# Altium PCB MSE-PCB-N1.PcbDoc (part 1 of 2) (continued)
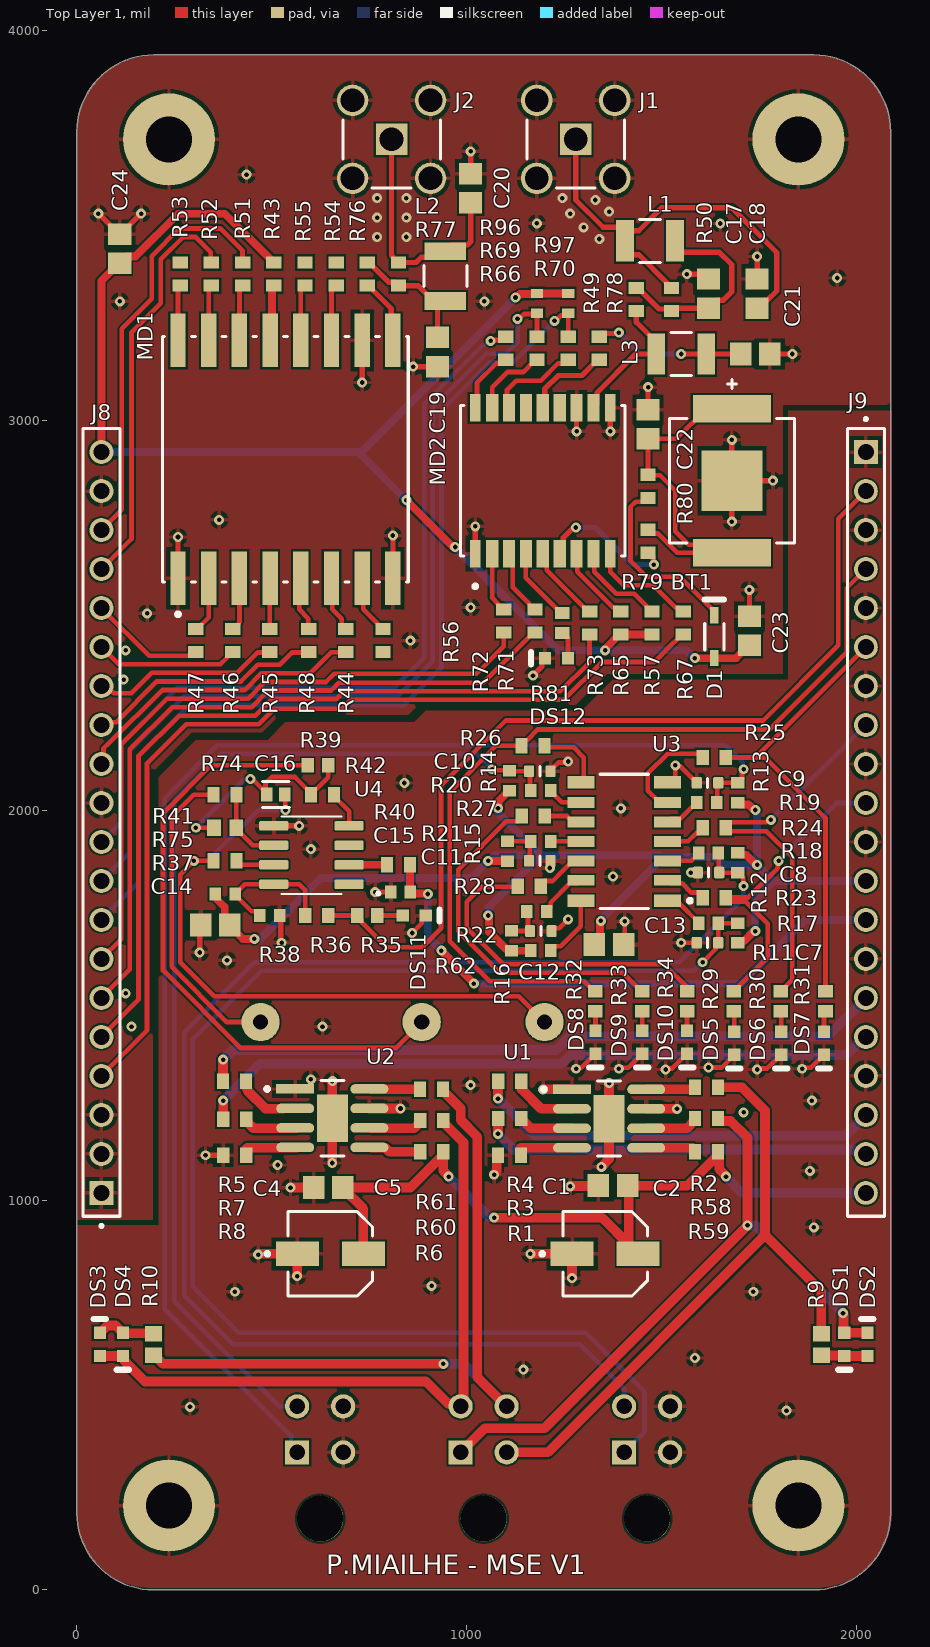
[diagram p0: Top Layer 1 view]
## Part data (continued)
C17 C18 C19 C20 C21: library part CMP-2100-03644-1, "Chip Capacitor, 0.1 uF, +/- 10%, 50 V, -55 to 125 degC, 0805 (2012 Metric), RoHS, Tape and Reel", Capacitance=NC, Case Code (Imperial)=0805, Case Code (Metric)=2012, Dielectric=X7R, Dielectric Material=Ceramic, Insulation Resistance=10GR, Manufacturer=Murata, Max Operating Temperature=125degC, Min Operating Temperature=-55degC, Package Description="2-Pin Surface Mount Device, Body 2 x 1.25 mm", Package Quantity=1, Tolerance=10%, Voltage=50V, Case/Package=0805, Datasheet URL=http://psearch.en.murata.com/capacitor/product/GRM21BR71H104KA01%23.pdf, Datasheet Version=42675.0, Depth=1.25mm, Height=1.25mm, Lead Free=LeadFree, Length=2mm, Manufacturer URL=http://www.murata.com/, Material=Ceramic, Mount=SurfaceMount, Number of Pins=2, Package Reference=0805, Packaging=TapeandReel, Radiation Hardening=No, REACH SVHC=Unknown, RoHSCompliant=true, Termination=SMD/SMT, Thickness=0.053inch, Voltage Rating=50V, Voltage Rating (DC)=50V, Width=0.049inch
D1: library part CMP-004-00001-2, "Small Signal Diode, 75 V, 0.15 A, -55 to 150 degC, 2-Pin SOD-323, RoHS, Tape and Reel", Capacitance=-323f, Case/Package=SOD-323, Forward Current=150mA, Forward Voltage=1V, Manufacturer=Fairchild, Max Operating Temperature=150°C, Min Operating Temperature=-55°C, Package Description="2-Pin Small Outline Diode Flat Lead, Body 1.7 x 1.25 mm", Package Quantity=3000, Peak Reverse Current=5uA, Datasheet URL=https://www.fairchildsemi.com/datasheets/1N/1N4148WS.pdf, Datasheet Version="Rev. 1.2, 03/2015", Manufacturer URL=https://www.fairchildsemi.com/, Mounting Technology=SM, Package Reference=SOD-323, Packaging=TapeandReel, Pins=2, Recovery Time=4ns, RoHS Compliant=True
DS1 DS3 DS5 DS6 DS7 DS8 DS9 DS10 DS11 DS12: library part CMP-1744-00002-1, "Chip LED, Green, 2.2 V, -40 to 85 degC, 2-Pin SMD, RoHS, Tape and Reel", Case\Package=SOIC, Clock Frequency="100 KHz", Frequency="400 KHz", Max Operating Temperature="85 degC", Max Supply Voltage="5.5 V", Min Operating Temperature="-40 degC", Min Supply Voltage="1.7 V", Nominal Supply Current="2 mA", Package Quantity=3000, Access Time="3500 ns", ComponentLink1Description="Manufacturer URL", ComponentLink1URL=http://www.avagotech.com/, ComponentLink2Description=Datasheet, ComponentLink2URL=http://docs.avagotech.com/docs/AV02-0551EN, ComponentLink3Description="Package Specification", ComponentLink3URL=http://www.fairchildsemi.com/dwg/MA/MA03D.pdf, DatasheetVersion=Mar-12, Density="32 kb", Height="1.5 mm", Interface=Serial, Length="5 mm", Max Clock Frequency="100 KHz", Mount="Surface Mount", PackageDescription="2-Pin Surface Mount Device, Body 1.6 x 0.8 mm, Height 0.9 mm", PackageReference=HSMX-C190, Packaging="Tape and Reel", Pins=8, Radiation Hardening=No, REACH SVHC="No SVHC", RoHSCompliant=true, Width="4 mm"
DS2 DS4: library part CMP-1744-00004-1, "LED Uni-Color Red, 65 mW, 20 mA, -40 to 85 degC, 2-Pin SMD, RoHS, Tape and Reel", Current Rating="1 A", Max Operating Temperature="85 degC", Min Operating Temperature="-30 degC", Package Quantity=2000, ComponentLink1Description="Manufacturer URL", ComponentLink1URL=http://www.avagotech.com/, ComponentLink2Description=Datasheet, ComponentLink2URL=http://docs.avagotech.com/docs/AV02-0551EN, ComponentLink3Description="Package Specification", ComponentLink3URL=http://www.fairchildsemi.com/dwg/MA/MA03D.pdf, Connector Type=USB, Contact Material=Copper, Contact Plating=Gold, DatasheetVersion=Mar-12, Gender=Male, Height="2.8 mm", Lead Pitch="0.65 mm", Length="7.5 mm", Mount="Surface Mount", PackageDescription="2-Pin Surface Mount Device, Body 1.6 x 0.8 mm, Height 0.9 mm", PackageReference=HSMX-C190, Packaging="Tape and Reel", Pins=5, REACH SVHC="No SVHC", RoHSCompliant=true, Width="5.6 mm"
J1 J2: library part CMP-2000-05487-1, "SMA Right-Angle PCB Jack Receptacle, Brass Body, Gold Plated, 50 Ohm, 5-Pin THD, RoHS, Tray", Manufacturer=Molex, Package Description="5-Pin Through Hole Device, Body 14.8 x 6.35 mm, Pitch 2.54 mm", Datasheet URL=http://www.molex.com/webdocs/datasheets/pdf/en-us/0731000114_RF_COAX_CONNECTORS.pdf, Datasheet Version=09/2016, Manufacturer URL=http://www.molex.com/, Mounting Technology=ThroughHole, Package Reference=731000114, Package URL=http://www.molex.com/pdm_docs/sd/731000114_sd.pdf
J3 J4 J5: library part CMP-04776-000002-1, "CONN HEADER R/A 4POS 3MM", Current Rating=8.5A, Manufacturer=Molex, Temperature="-40°C to +105°C", Temperature Range High=+105°C, Temperature Range Low=-40°C, Voltage Rating=600V, Automotive=No, Category=Conn, ComponentLink2Description=Datasheet, ComponentLink2URL=https://www.molex.com/webdocs/datasheets/pdf/en-us/0430450400_PCB_HEADERS.pdf, Conn Gender=Male, Conn Orientation="Right Angle", Contact Material=Tin,Nickel, Device Class L1=Connectors, Device Class L2="Headers and Wire Housings", Device Class L3=unset, Digikey Description="CONN HEADER R/A 4POS 3MM", Footprint Url=https://www.molex.com/pdm_docs/sd/430450400_sd.pdf, Height=9.27mm, Is Female=yes, Lead Free=Yes, Manufacturer Part Number=43045-0400, Number Of Contacts=4, Number Of Rows=2, Octopart=https://octopart.com/43045-0400-molex-287063, Package=43045-0400, Pitch=3mm, RoHS=TRUE
J8 J9: library part CMP-011-000000-2, "SSW - Samtec 2.54mm Single Row Straight Socket Strip 8.5 Profile - Fast Stock", Package=None, Availability=Bad, Check_prices=https://www.snapeda.com/parts/SSW-120-01-G-S/Samtec/view-part/598388/?ref=eda, Component Type=Standard, Design Item ID=SSW-120-01-X-S, MF=Samtec, MP=SSW-120-01-G-S, Pin Count=20, Price=None, Purchase-URL=https://pricing.snapeda.com/search/part/SSW-120-01-G-S/?ref=eda, SnapEDA_Link=https://www.snapeda.com/parts/SSW-120-01-G-S/Samtec/view-part/598388/?ref=snap, Source=SSW-120-01-X-S.SchLib
L1 L2 L3: library part CMP-2000-05912-2, "FIXED IND 10UH 180MA 1.6 OHM SMD", Case Code (Imperial)=1210, Case Code (Metric)=3225, Current Rating=180mA, DC Resistance (DCR)=1.6R, Inductance=10uH, Inductance Tolerance=10%, Max Operating Temperature=125°C, Package Quantity=2000, Ratings=AEC-Q200, Resistor Type=Wirewound, Self Resonant Frequency=25MHz, Test Frequency=1MHz, Case/Package=1210, Contact Plating=Tin, Core Material=Ferrite, DC Current=180mA, Depth=2.8mm, Height=2.1mm, Height - Seated (Max)=0.083inch, Lead Free="Lead Free", Length=3.5mm, Max DC Current=180mA, Military Standard=Not, Mount="Surface Mount", Number of Pins=2, Packaging="Tape and Reel", Q Factor=27, Radiation Hardening=No, Rated Current-Max=180mA, REACH SVHC="No SVHC", RoHS Compliant=Yes, Series=SIMID, Series Resistance=1.6R, Shielding=Unshielded, Termination=SMD/SMT, Tolerance=10%, Weight=0.001764oz, Width=0.098inch
LS1: library part CMP-003-000000-2, "40 mm, 9 Vdc, 110 dB, Through Hole, Piezo Audio Transducer Buzzer", Package=None, Availability="In Stock", Check_prices=https://www.snapeda.com/parts/CPS-4013-110T/CUI+Devices/view-part/?ref=eda, Component Type=Standard, CUI_purchase_URL=https://www.cuidevices.com/product/audio/buzzers/audio-transducers/cps-4013-110t?utm_source=snapeda.com&utm_medium=referral&utm_campaign=snapedaBOM, Design Item ID=CPS-4013-110T, MF="CUI Devices", MP=CPS-4013-110T, Pin Count=3, Price=None, Purchase-URL=https://pricing.snapeda.com/search/part/CPS-4013-110T/?ref=eda, SnapEDA_Link=https://www.snapeda.com/parts/CPS-4013-110T/CUI+Devices/view-part/?ref=snap, Source=CPS-4013-110T.SchLib
MD1: library part CMP-204316-000001-1, "RX TXRX MODULE ISM < 1GHZ SMD", Case/Package=SMD/SMT, Current - Receiving=12.1mA, Current - Transmitting=120mA, Frequency=868MHz, Max Operating Temperature=70°C, Min Operating Temperature=-20°C, Data Rate=300Kbps, Interface=SPI, Mount="Surface Mount", Packaging=Bulk, Sensitivity=-123dBm
MD2: library part CMP-207130-000026-1, "GNSS LCC RX, ROM, TCXO, LNA, SAW"
R1 R5: library part CMP-2100-03667-1, "Chip Resistor, 0 Ohm, +/- 5%, 0.1 W, -55 to 155 degC, 0603 (1608 Metric), RoHS, Tape and Reel", Case Code (Imperial)=0603, Case Code (Metric)=1608, Manufacturer=Yageo, Max Operating Temperature=155degC, Min Operating Temperature=-55degC, Package Description="2-Pin Surface Mount Device, Body 1.6 x 0.8 mm", Package Quantity=5000, Power Rating=100mW, Resistance=34K, Temperature Coefficient=200ppm/degreesC, Tolerance=5%, Voltage Rating=50V, Case/Package=0603, Composition=ThickFilm, Contact Plating=Tin, Datasheet URL=http://www.yageo.com/NewPortal/yageodocoutput?fileName=/pdf/R-Chip/PYu-RC_Group_51_RoHS_L_5.pdf, Datasheet Version="Rev. 5, 10/2016", Depth=0.8mm, Height=0.45mm, Lead Free=LeadFree, Length=1.6mm, Manufacturer URL=http://www.yageo.com/, Military Standard=Not, Number of Pins=2, Package Reference=0603, Packaging=TapeandReel, Radiation Hardening=No, REACH SVHC=NoSVHC, RoHSCompliant=true, Termination=SMD/SMT, Voltage Rating (DC)=50V, Width=0.8mm
R2 R3 R4 R6 R7 R8 R23 R24 R25 R26 R27 R28 R39 R58 R59 R60 R61: library part CMP-2100-03667-1, "Chip Resistor, 0 Ohm, +/- 5%, 0.1 W, -55 to 155 degC, 0603 (1608 Metric), RoHS, Tape and Reel", Case Code (Imperial)=0603, Case Code (Metric)=1608, Manufacturer=Yageo, Max Operating Temperature=155degC, Min Operating Temperature=-55degC, Package Description="2-Pin Surface Mount Device, Body 1.6 x 0.8 mm", Package Quantity=5000, Power Rating=100mW, Resistance=0R, Temperature Coefficient=200ppm/degreesC, Tolerance=5%, Voltage Rating=50V, Case/Package=0603, Composition=ThickFilm, Contact Plating=Tin, Datasheet URL=http://www.yageo.com/NewPortal/yageodocoutput?fileName=/pdf/R-Chip/PYu-RC_Group_51_RoHS_L_5.pdf, Datasheet Version="Rev. 5, 10/2016", Depth=0.8mm, Height=0.45mm, Lead Free=LeadFree, Length=1.6mm, Manufacturer URL=http://www.yageo.com/, Military Standard=Not, Number of Pins=2, Package Reference=0603, Packaging=TapeandReel, Radiation Hardening=No, REACH SVHC=NoSVHC, RoHSCompliant=true, Termination=SMD/SMT, Voltage Rating (DC)=50V, Width=0.8mm
R9 R10: library part CMP-2000-00122-1, Case Code (Imperial)=0603, Case Code (Metric)=1608, Manufacturer=Panasonic, Max Operating Temperature=155°C, Max Power Dissipation=100mW, Min Operating Temperature=-55°C, Package Quantity=1, Resistance=750R, Resistance Tolerance=0.1%, Resistor Type="Thin Film", Supplier Part Number 1=6621117, Temperature Coefficient=25ppm/°C, Voltage Rating=75V, Case/Package=0603, Category="Chip SMD Resistors", ComponentLink1Description=https://datasheet.ciiva.com/11808/0900766b80fe20f7-11808070.pdf?src-supplier=RSComponents, ComponentLink1URL=https://datasheet.ciiva.com/11808/0900766b80fe20f7-11808070.pdf?src-supplier=RSComponents, ComponentLink2Description=https://datasheet.ciiva.com/29183/450701-da-01-en-widerstand-0603-era-29183748.pdf?src-supplier=Conrad, ComponentLink2URL=https://datasheet.ciiva.com/29183/450701-da-01-en-widerstand-0603-era-29183748.pdf?src-supplier=Conrad, ComponentLink3Description=https://datasheet.ciiva.com/48530/era-eng-tds-48530518.pdf?src-supplier=Distrelec, ComponentLink3URL=https://datasheet.ciiva.com/48530/era-eng-tds-48530518.pdf?src-supplier=Distrelec, ComponentLink4Description=https://datasheet.ciiva.com/7710/485442-7710616.pdf?src-supplier=Element14, ComponentLink4URL=https://datasheet.ciiva.com/7710/485442-7710616.pdf?src-supplier=Element14, ComponentLink5Description=https://datasheet.ciiva.com/7710/485442-7710617.pdf?src-supplier=Element14, ComponentLink5URL=https://datasheet.ciiva.com/7710/485442-7710617.pdf?src-supplier=Element14, ComponentLink6Description=https://datasheet.ciiva.com/7710/485442-7710618.pdf?src-supplier=Element14, ComponentLink6URL=https://datasheet.ciiva.com/7710/485442-7710618.pdf?src-supplier=Element14, ComponentLink7Description=https://datasheet.ciiva.com/30081/54aoa0000ce26-30081771.pdf?src-supplier=Onlinecomponents.com, ComponentLink7URL=https://datasheet.ciiva.com/30081/54aoa0000ce26-30081771.pdf?src-supplier=Onlinecomponents.com, ComponentLink8Description=https://datasheet.ciiva.com/22740/485442-22740940.pdf?src-supplier=Element14, ComponentLink8URL=https://datasheet.ciiva.com/22740/485442-22740940.pdf?src-supplier=Element14, ComponentLink9Description=https://datasheet.ciiva.com/9180/aoa0000ce26-9180142.pdf?src-supplier=Avnet, ComponentLink9URL=https://datasheet.ciiva.com/9180/aoa0000ce26-9180142.pdf?src-supplier=Avnet, Construction=Rectangular, Contact Plating=Tin, Depth=0.8mm, Features="Automotive AEC-Q200", Height=0.45mm, Lead Free="Lead Free", Length=1.6mm, Manufacturer Part Number=ERA-3AEB751V, Military Standard=Not, Mount="Surface Mount", Number of Pins=2, Number of Terminations=2, Packaging="Cut Tape", Part Number=ERA-3AEB751V, Power Rating=100mW, Pricing 1="5=0.80100, 50=0.74600, 100=0.69900, 250=0.64900, 500=0.59400 (USD)", Radiation Hardening=No, REACH SVHC="No SVHC", RoHS=Yes, RoHS Compliant=Yes, Series=ERA-3A, Stock 1=1, Supplier 1=RSComponents, Technology="THIN FILM", Termination=SMD/SMT, Tolerance=0.1%, Voltage Rating (DC)=75V, Width=0.8mm
R11 R12 R13 R14 R15 R16 R17 R18 R19 R20 R21 R22 R62: library part CMP-1012-00623-3, "Chip Resistor, 10 KOhm, +/- 1%, 0.1 W, -55 to 155 degC, 0603 (1608 Metric), RoHS, Tape and Reel", Case Code (Imperial)=0603, Case Code (Metric)=1608, Manufacturer=Panasonic, Max Operating Temperature=155degC, Max Power Dissipation=100mW, Min Operating Temperature=-55degC, Package Description="2-Pin Surface Mount Device, Body 1.6 x 0.85 mm", Package Quantity=1, Package Reference=603, Resistance=10K, Temperature Coefficient=100ppm\/degreesC, Tolerance=1%, Voltage Rating=75V, Case\/Package=0603, Composition=ThickFilm, Contact Plating=Tin, Datasheet URL=https://industrial.panasonic.com/cdbs/www-data/pdf/RDA0000/AOA0000C304.pdf, Datasheet Version=02/2017, Depth=0.8mm, Height=0.45mm, Lead Free=LeadFree, Length=1.6mm, Manufacturer URL=http://www.panasonic.com/, Military Standard=Not, Mount=SurfaceMount, Mounting Technology=SurfaceMount, Number of Pins=2, Number of Terminations=2, Packaging=TapeandReel, Power Rating=100mW, Radiation Hardening=No, REACH SVHC=NoSVHC, RoHSCompliant=true, Termination=SMD/SMT, Voltage Rating (DC)=75V, Width=0.031inch
R29 R30 R31 R32 R33 R34 R35 R81: library part CMP-2000-03816-5, Manufacturer="Vishay Semiconductor", Max Operating Temperature="155 degC", Min Operating Temperature="-55 degC", Package Quantity=5000, Voltage Rating="75 V", ComponentLink1Description="Manufacturer URL", ComponentLink1URL=http://www.vishay.com/, ComponentLink2Description=Datasheet, ComponentLink2URL=http://www.vishay.com/docs/20035/dcrcwe3.pdf, DatasheetVersion=06/2012, Height="0.45 mm", Length="1.55 mm", Mount="Surface Mount", Mounting Technology="Surface Mount", PackageDescription="2-Pin Surface Mount Device, Body 1.575 x 0.85 mm", PackageReference=0603, Packaging="Tape and Reel", Pins=2, REACH SVHC=Unknown, RoHSCompliant=true
R36 R40 R43 R44 R45 R46 R47 R48 R49 R50 R51 R52 R53 R54 R55 R56 R57 R65 R66 R67 R69 R70 R71 R72 R73 R74 R75 R76 R77 R78 R79: library part CMP-2100-03667-1, "Chip Resistor, 0 Ohm, +/- 5%, 0.1 W, -55 to 155 degC, 0603 (1608 Metric), RoHS, Tape and Reel", Case Code (Imperial)=0603, Case Code (Metric)=1608, Manufacturer=Yageo, Max Operating Temperature=155degC, Min Operating Temperature=-55degC, Package Description="2-Pin Surface Mount Device, Body 1.6 x 0.8 mm", Package Quantity=5000, Power Rating=100mW, Resistance=0mOhm, Temperature Coefficient=200ppm/degreesC, Tolerance=5%, Voltage Rating=50V, Case/Package=0603, Composition=ThickFilm, Contact Plating=Tin, Datasheet URL=http://www.yageo.com/NewPortal/yageodocoutput?fileName=/pdf/R-Chip/PYu-RC_Group_51_RoHS_L_5.pdf, Datasheet Version="Rev. 5, 10/2016", Depth=0.8mm, Height=0.45mm, Lead Free=LeadFree, Length=1.6mm, Manufacturer URL=http://www.yageo.com/, Military Standard=Not, Number of Pins=2, Package Reference=0603, Packaging=TapeandReel, Radiation Hardening=No, REACH SVHC=NoSVHC, RoHSCompliant=true, Termination=SMD/SMT, Voltage Rating (DC)=50V, Width=0.8mm
R37 R38: library part CMP-1012-00623-3, "Chip Resistor, 10 KOhm, +/- 1%, 0.1 W, -55 to 155 degC, 0603 (1608 Metric), RoHS, Tape and Reel", Case Code (Metric)=1608, Case/Package=0603, Manufacturer=Panasonic, Manufacturer Part Number=ERJ-3EKF1002V, Max Operating Temperature=155degC, Max Power Dissipation=100mW, Min Operating Temperature=-55degC, Package Description="2-Pin Surface Mount Device, Body 1.6 x 0.85 mm", Package Quantity=1, Package Reference=603, Resistance="NC (10k)", Resistance Tolerance=1%, Resistor Type="Thick Film", Supplier Part Number 1=667-ERJ-3EKF1002V, Temperature Coefficient=100ppm\/degreesC, Voltage Rating=75V, Case\/Package=0603, Category="Chip SMD Resistors", ComponentLink1Description=https://datasheet.ciiva.com/16511/aoa0000ce2-16511861.pdf?src-supplier=Avnet+Asia, ComponentLink1URL=https://datasheet.ciiva.com/16511/aoa0000ce2-16511861.pdf?src-supplier=Avnet+Asia, ComponentLink2Description=https://datasheet.ciiva.com/46372/1678782-46372725.pdf?src-supplier=Element14, ComponentLink2URL=https://datasheet.ciiva.com/46372/1678782-46372725.pdf?src-supplier=Element14, ComponentLink3Description=https://datasheet.ciiva.com/28514/426256-28514198.pdf?src-supplier=Element14, ComponentLink3URL=https://datasheet.ciiva.com/28514/426256-28514198.pdf?src-supplier=Element14, ComponentLink4Description=https://datasheet.ciiva.com/9194/aoa0000ce2-9194199.pdf?src-supplier=Avnet, ComponentLink4URL=https://datasheet.ciiva.com/9194/aoa0000ce2-9194199.pdf?src-supplier=Avnet, ComponentLink5Description=https://datasheet.ciiva.com/7830/aoa0000ce2-7830729.pdf?src-supplier=Element14, ComponentLink5URL=https://datasheet.ciiva.com/7830/aoa0000ce2-7830729.pdf?src-supplier=Element14, ComponentLink6Description=https://datasheet.ciiva.com/17212/aoa0000ce2-17212105.pdf?src-supplier=Avnet+Europe, ComponentLink6URL=https://datasheet.ciiva.com/17212/aoa0000ce2-17212105.pdf?src-supplier=Avnet+Europe, ComponentLink7Description=https://datasheet.ciiva.com/30208/aoa0000ce2-30208985.pdf?src-supplier=Onlinecomponents.com, ComponentLink7URL=https://datasheet.ciiva.com/30208/aoa0000ce2-30208985.pdf?src-supplier=Onlinecomponents.com, ComponentLink8Description=https://datasheet.ciiva.com/48530/aoa0000ce2-48530988.pdf?src-supplier=Avnet, ComponentLink8URL=https://datasheet.ciiva.com/48530/aoa0000ce2-48530988.pdf?src-supplier=Avnet, ComponentLink9Description=https://datasheet.ciiva.com/24070/aoa0000ce2-24070318.pdf?src-supplier=Mouser, ComponentLink9URL=https://datasheet.ciiva.com/24070/aoa0000ce2-24070318.pdf?src-supplier=Mouser, ComponentLink10Description=https://datasheet.ciiva.com/16759/70260748-16759807.pdf?src-supplier=Allied+Electronics, ComponentLink10URL=https://datasheet.ciiva.com/16759/70260748-16759807.pdf?src-supplier=Allied+Electronics, Composition=ThickFilm, Construction=Rectangular, Contact Plating=Tin, Datasheet URL=https://industrial.panasonic.com/cdbs/www-data/pdf/RDA0000/AOA0000C304.pdf, Datasheet Version=02/2017, Depth=0.8mm, Features="Automotive AEC-Q200", Height=0.45mm, Lead Free=LeadFree, Length=1.6mm, Manufacturer URL=http://www.panasonic.com/, Military Standard=Not, Mount=SurfaceMount, Mounting Technology=SurfaceMount, Number of Pins=2, Number of Terminations=2, Packaging=TapeandReel, Power Rating=100mW, Pricing 1="1=0,10000, 10=0,04000, 50=0,04000, 100=0,01700, 1000=0,00700, 5000=0,00500, 10000=0,00500 (USD)", Radiation Hardening=No, REACH SVHC=NoSVHC, RoHS=Yes, RoHS Compliant=Yes, RoHSCompliant=true, Series=ERJ, Size Code=0603, Stock 1=20455, Supplier 1=Mouser, Technology="THICK FILM", Termination=SMD/SMT, Tolerance=1%, Voltage Rating (DC)=75V, Width=0.031inch
R41: library part CMP-2000-00727-1, Case Code (Imperial)=0603, Case Code (Metric)=1608, Manufacturer=Panasonic, Max Operating Temperature=155°C, Max Power Dissipation=100mW, Min Operating Temperature=-55°C, Package Quantity=1, Resistance=1.5MR, Resistance Tolerance=5%, Resistor Type="Thick Film", Supplier Part Number 1=667-ERJ-3GEYJ155V, Temperature Coefficient=150ppm/°C, Voltage Rating=75V, Voltage Rating (DC)=50V, Case/Package=0603, Category="Chip SMD Resistors", ComponentLink1Description=https://datasheet.ciiva.com/11821/0900766b80f806dd-11821430.pdf?src-supplier=RSComponents, ComponentLink1URL=https://datasheet.ciiva.com/11821/0900766b80f806dd-11821430.pdf?src-supplier=RSComponents, ComponentLink2Description=https://datasheet.ciiva.com/16780/70255313-16780680.pdf?src-supplier=Allied+Electronics, ComponentLink2URL=https://datasheet.ciiva.com/16780/70255313-16780680.pdf?src-supplier=Allied+Electronics, ComponentLink3Description=https://datasheet.ciiva.com/9198/aoa0000ce1-9198090.pdf?src-supplier=Avnet, ComponentLink3URL=https://datasheet.ciiva.com/9198/aoa0000ce1-9198090.pdf?src-supplier=Avnet, ComponentLink4Description=https://datasheet.ciiva.com/30248/4aoa0000ce1-30248779.pdf?src-supplier=Onlinecomponents.com, ComponentLink4URL=https://datasheet.ciiva.com/30248/4aoa0000ce1-30248779.pdf?src-supplier=Onlinecomponents.com, ComponentLink5Description=https://datasheet.ciiva.com/5959/1500035-5959709.pdf?src-supplier=Farnell, ComponentLink5URL=https://datasheet.ciiva.com/5959/1500035-5959709.pdf?src-supplier=Farnell, ComponentLink6Description=https://datasheet.ciiva.com/28658/1678796-28658445.pdf?src-supplier=Element14, ComponentLink6URL=https://datasheet.ciiva.com/28658/1678796-28658445.pdf?src-supplier=Element14, ComponentLink7Description=https://datasheet.ciiva.com/15828/aoa0000ce1-15828430.pdf?src-supplier=Onlinecomponents.com, ComponentLink7URL=https://datasheet.ciiva.com/15828/aoa0000ce1-15828430.pdf?src-supplier=Onlinecomponents.com, Construction=Rectangular, Contact Plating=Tin, Depth=0.8mm, Features="Automotive AEC-Q200", Height=0.45mm, Lead Free="Lead Free", Length=1.6mm, Manufacturer Part Number=ERJ-3GEYJ155V, Military Standard=Not, Mount="Surface Mount", Number of Terminations=2, Packaging="Tape and Reel", Part Number=ERJ-3GEYJ155V, Power Rating=100mW, Pricing 1="1=0,10000, 10=0,03400, 50=0,03400, 100=0,01400, 1000=0,00700, 2500=0,00600, 5000=0,00400, 10000=0,00400 (USD)", REACH SVHC="No SVHC", RoHS=Yes, RoHS Compliant=Yes, Series=ERJ, Stock 1=76730, Supplier 1=Mouser, Technology="THICK FILM", Termination=SMD/SMT, Tolerance=5%, Width=0.031inch
R42: library part CMP-1012-00754-2, Case Code (Imperial)=0603, Case Code (Metric)=1608, Manufacturer=Panasonic, Max Operating Temperature=155°C, Max Power Dissipation=100mW, Min Operating Temperature=-55°C, Package Quantity=1, Resistance=150kR, Resistance Tolerance=1%, Resistor Type="Thick Film", Supplier Part Number 1=667-ERJ-3EKF1503V, Temperature Coefficient=100ppm/°C, Voltage Rating=75V, Case/Package=0603, Category="Chip SMD Resistors", ComponentLink1Description=https://datasheet.ciiva.com/6137/aoa0000ce2-6137485.pdf?src-supplier=Farnell, ComponentLink1URL=https://datasheet.ciiva.com/6137/aoa0000ce2-6137485.pdf?src-supplier=Farnell, ComponentLink2Description=https://datasheet.ciiva.com/7909/aoa0000ce2-7909193.pdf?src-supplier=Element14, ComponentLink2URL=https://datasheet.ciiva.com/7909/aoa0000ce2-7909193.pdf?src-supplier=Element14, ComponentLink3Description=https://datasheet.ciiva.com/7909/426256-7909546.pdf?src-supplier=Element14, ComponentLink3URL=https://datasheet.ciiva.com/7909/426256-7909546.pdf?src-supplier=Element14, ComponentLink4Description=https://datasheet.ciiva.com/22687/1678782-22687434.pdf?src-supplier=Element14, ComponentLink4URL=https://datasheet.ciiva.com/22687/1678782-22687434.pdf?src-supplier=Element14, ComponentLink5Description=https://datasheet.ciiva.com/46420/1678782-46420173.pdf?src-supplier=Element14, ComponentLink5URL=https://datasheet.ciiva.com/46420/1678782-46420173.pdf?src-supplier=Element14, ComponentLink6Description=https://datasheet.ciiva.com/16787/70260748-16787015.pdf?src-supplier=Allied+Electronics, ComponentLink6URL=https://datasheet.ciiva.com/16787/70260748-16787015.pdf?src-supplier=Allied+Electronics, ComponentLink7Description=https://datasheet.ciiva.com/9185/aoa0000ce2-9185494.pdf?src-supplier=Avnet, ComponentLink7URL=https://datasheet.ciiva.com/9185/aoa0000ce2-9185494.pdf?src-supplier=Avnet, ComponentLink8Description=https://datasheet.ciiva.com/48530/aoa0000ce2-48530984.pdf?src-supplier=Avnet, ComponentLink8URL=https://datasheet.ciiva.com/48530/aoa0000ce2-48530984.pdf?src-supplier=Avnet, ComponentLink9Description=https://datasheet.ciiva.com/30145/aoa0000ce2-30145242.pdf?src-supplier=Onlinecomponents.com, ComponentLink9URL=https://datasheet.ciiva.com/30145/aoa0000ce2-30145242.pdf?src-supplier=Onlinecomponents.com, ComponentLink10Description=https://datasheet.ciiva.com/17207/aoa0000ce2-17207477.pdf?src-supplier=Avnet+Europe, ComponentLink10URL=https://datasheet.ciiva.com/17207/aoa0000ce2-17207477.pdf?src-supplier=Avnet+Europe, Construction=Rectangular, Contact Plating=Tin, Depth=0.8mm, Features="Automotive AEC-Q200", Height=0.022inch, Lead Free="Lead Free", Length=1.6mm, Manufacturer Part Number=ERJ-3EKF1503V, Military Standard=Not, Mount="Surface Mount", Number of Pins=2, Number of Terminations=2, Packaging="Tape and Reel", Part Number=ERJ-3EKF1503V, Power Rating=100mW, Pricing 1="1=0,10000, 10=0,03700, 50=0,03700, 100=0,01500, 1000=0,00800, 2500=0,00700, 5000=0,00600, 10000=0,00600 (USD)", Radiation Hardening=No, REACH SVHC="No SVHC", RoHS=Yes, RoHS Compliant=Yes, Series=ERJ, Stock 1=1123, Supplier 1=Mouser, Termination=SMD/SMT, Tolerance=1%, Voltage Rating (DC)=75V, Weight=7.1E-05oz, Width=0.8mm
R80: library part CMP-1012-00567-2, "Chip Resistor, 3.3 KOhm, +/- 1%, 0.1 W, -55 to 155 degC, 0603 (1608 Metric), RoHS, Tape and Reel", Case Code (Imperial)=0603, Case Code (Metric)=1608, Manufacturer=Yageo, Max Operating Temperature=155degC, Max Power Dissipation=100mW, Min Operating Temperature=-55degC, Package Description="2-Pin Surface Mount Device, Body 1.6 x 0.8 mm", Package Quantity=1, Resistance=3K3, Temperature Coefficient=100ppm/degreesC, Tolerance=1%, Voltage Rating=50V, Case/Package=0603, Composition=ThickFilm, Datasheet URL=http://www.yageo.com/NewPortal/yageodocoutput?fileName=/pdf/R-Chip/PYu-RC_Group_51_RoHS_L_5.pdf, Datasheet Version="Rev. 5, 10/2016", Depth=0.8mm, Height=0.45mm, Lead Free=LeadFree, Length=1.6mm, Manufacturer URL=http://www.yageo.com/, Military Standard=Not, Number of Pins=2, Number of Terminations=2, Package Reference=0603, Packaging=TapeandReel, Power Rating=100mW, REACH SVHC=NoSVHC, RoHSCompliant=true, Termination=SMD/SMT, Voltage Rating (DC)=50V, Width=0.8mm
R96 R97: library part CMP-2000-06942-1, "Chip Resistor, 4.7 KOhm, +/- 1%, 0.1 W, -55 to 155 degC, 0603 (1608 Metric), RoHS, Tape and Reel", Case Code (Imperial)=0603, Case Code (Metric)=1608, Manufacturer=Yageo, Max Operating Temperature=155°C, Max Power Dissipation=100mW, Min Operating Temperature=-55°C, Operating Temperature Range=-55Cto+155C, Package Description="2-Pin Surface Mount Device, Body 1.6 x 0.8 mm", Resistance=4.7k, Resistance Tolerance=1%, Resistor Type="Thick Film", Supplier Part Number 1=603-RC0603FR-074K7L, Temperature Coefficient=100PPM/C, Voltage Rating=50V, Case Code - mm=1608, Case/Package=0603, Category="Chip SMD Resistors", ComponentLink1Description=https://datasheet.ciiva.com/15189/getdatasheetpartid-422754-15189760.pdf?src-supplier=Verical, ComponentLink1URL=https://datasheet.ciiva.com/15189/getdatasheetpartid-422754-15189760.pdf?src-supplier=Verical, ComponentLink2Description=https://datasheet.ciiva.com/22747/443971-22747528.pdf?src-supplier=Element14, ComponentLink2URL=https://datasheet.ciiva.com/22747/443971-22747528.pdf?src-supplier=Element14, ComponentLink3Description=https://datasheet.ciiva.com/7660/38590-7660794.pdf?src-supplier=Element14, ComponentLink3URL=https://datasheet.ciiva.com/7660/38590-7660794.pdf?src-supplier=Element14, ComponentLink4Description=https://datasheet.ciiva.com/7746/1868787-7746365.pdf?src-supplier=Element14, ComponentLink4URL=https://datasheet.ciiva.com/7746/1868787-7746365.pdf?src-supplier=Element14, ComponentLink5Description=https://datasheet.ciiva.com/46440/1868787-46440909.pdf?src-supplier=Element14, ComponentLink5URL=https://datasheet.ciiva.com/46440/1868787-46440909.pdf?src-supplier=Element14, ComponentLink6Description=https://datasheet.ciiva.com/7746/1738695-7746366.pdf?src-supplier=Element14, ComponentLink6URL=https://datasheet.ciiva.com/7746/1738695-7746366.pdf?src-supplier=Element14, Construction=Rectangular, Datasheet URL=http://www.yageo.com/documents/recent/PYu-RC_Group_51_RoHS_L_7.pdf, Datasheet Version="Rev. 7, 05/2017", Depth=0.8mm, Features="Moisture Resistant", Height=0.45mm, Lead Free="Lead Free", Lead Pitch=0.3mm, Length=1.6mm, Manufacturer Part Number=RC0603FR-074K7L, Manufacturer URL=http://www.yageo.com/, Military Standard=Not, Mounting Technology=SurfaceMount, Number of Pins=2, Number of Terminations=2, Package Reference=0603, Packaging=Reel, Power Rating=100mW, Pricing 1="1=0,10000, 10=0,02400, 50=0,02400, 100=0,01000, 1000=0,00400, 5000=0,00300, 10000=0,00300 (USD)", Product=ThickFilmResistorsGeneralPurpose, REACH SVHC="No SVHC", RoHS=Yes, RoHS Compliant=Yes, Series=RC, Size Code=0603, Stock 1=772810, Supplier 1=Mouser, Termination=SMD/SMT, Termination Style=SMD/SMT, Tolerance=1%, Voltage Rating (DC)=50V, Width=0.8mm
U1 U2: library part CMP-04915-000023-1, "IC MOTOR DRVR UNIPLR 8SO PWRPAD", Max Operating Temperature=125°C, Min Operating Temperature=-40°C, Output Current=3.6A, Interface=PWM, Logic Function="AND GATE", Mount="Surface Mount", Number of Pins=8, Packaging="Cut Tape"
U3: library part CMP-14350-000004-1, "IC INVERTER SCHMITT 6CH 14SO"
U4: library part CMP-005-000000-2, "IC HORN DRIVER DUAL 8SOIC", Package="SOIC-8 Microchip Technology", Component Type=Standard, Design Item ID=RE46C100S8F, Digi-Key_Part_Number=RE46C100S8F-ND, Digi-Key_Purchase_URL=https://www.digikey.ca/product-detail/en/microchip-technology/RE46C100S8F/RE46C100S8F-ND/2137466?utm_source=snapeda&utm_medium=aggregator&utm_campaign=symbol, MF="Microchip Technology", MP=RE46C100S8F, Pin Count=6, SnapEDA_Link=https://www.snapeda.com/parts/RE46C100S8F/Microchip/view-part/3611216/?ref=snap, Source=SnapEDAsch.SchLib

## Free pads (board coordinates)
  round 236.22 hole 118.11: 1(236.22,216.54) 1(236.22,3720.47) 1(1850.39,216.54) 1(1850.39,3720.47)

## Via types
v1: diameter 25.59, hole 11.81, Top Layer 1 to Bottom Layer 4, 141 vias

## Nets (pads, with @x,y where several pads share a name; then routed paths per layer and width w, separated by ;. In a path a pad name is that pad's centre, name@x,y a point inside that pad or via, vN(x,y) a via of type N, cw(c..) or ccw(c..) an arc to the next point about the centre after c; other vN are vias at no path point)
+3V3_P: C23.2 C24.2 D1.1 J8.20 R43.1 R57.1 R65.1 R96.2 R97.2 | length 3771.2
  Top Layer 1 w12: C24.2@125.93,3386.67 C24.2@110,3402.6 C24.2@127.56,3420.16
  Top Layer 1 w20: J8.20@62.99,2918.5 62.99,3357.56 108.03,3402.6 C24.2@110,3402.6 ; C24.2@127.56,3420.16 150.16,3420.16 260,3530 379.53,3530 495.31,3414.21 495.31,3410.28 501.06,3404.53 R43.1@505,3404.53 ; v1(845,2795) 962.8,2677.2 967.8,2677.2 v1(970,2675) ; v1(1125,3315) 1128.11,3315 1136.89,3323.78 1174.25,3323.78 1176.06,3325.59 R97.2@1260,3325.59 ; v1(1355,2410) 1356.07,2411.07 1356.07,2415.48 1391.06,2450.47 R57.1@1475,2450.47 ; v1(1585,2390) 1585.06,2389.94 1634.94,2389.94 D1.1@1635,2389.88 1690.31,2389.88 1723.03,2422.6 C23.2@1725,2422.6
  Bottom Layer 4 w20: J8.20@62.99,2918.5 730,2918.5 1125,3313.5 v1(1125,3315) ; 721.5,2918.5 v1(845,2795) ; v1(970,2675) 1235,2410 1563.49,2410 1583.49,2390 v1(1585,2390)
+3V3_S: C13.2 C14.2 J9.12 R11.2 R12.2 R13.2 R14.2 R15.2 R16.2 R37.2 R62.2 | length 3270
  Top Layer 1 w20: R37.2@354.41,1784.99 359.17,1780.23 359.17,1771.63 379.35,1751.45 379.35,1718.05 C14.2@392.4,1704.99 392.4,1703.03 425.43,1670 v1@453.49,1670 ; v1(1055,1730) 1057.2,1727.8 1057.2,1687.8 1100.83,1644.17 1110.24,1644.17 R16.2@1115,1639.41 1115.3,1639.7 1164.7,1639.7 R62.2@1165,1640 ; v1(1055,1870) 1055.3,1869.7 1104.7,1869.7 R15.2@1105,1869.41 ; v1(1080,2005) 1081.07,2006.07 1081.07,2022.45 1103.27,2044.65 1105.24,2044.65 R14.2@1110,2049.41 ; C13.2@1327.6,1655 1341.84,1669.24 1341.84,1713.76 v1(1344.04,1715.96) ; R11.2@1695,1659.41 1699.76,1664.17 1711.06,1664.17 1736.89,1690 v1(1740,1690) ; R12.2@1695,1890.59 1699.76,1885.83 1716.06,1885.83 1741.89,1860 v1(1745,1860) ; R13.2@1695,2019.41 1699.76,2014.65 1722.68,2014.65 1736.89,2000.43 v1(1740,2000.43)
  Bottom Layer 4 w20: v1(455,1670) 456.07,1671.07 471.07,1671.07 625.74,1825.74 1010.74,1825.74 v1(1055,1870) 1056.51,1870 1071.12,1884.6 1189.42,1884.6 ; v1(1055,1730) 1056.07,1731.07 1056.07,1751.07 1185.69,1880.69 ; v1(1080,2005) 1081.07,2003.93 1081.07,1992.95 1189.42,1884.6 ; v1(1344.04,1715.96) 1344.04,1717.47 1346.84,1720.27 1346.84,1721.84 1500,1875 1500,1880 ; v1(1740,1690) 1740,1772.01 1781.72,1813.72 1781.72,1823.28 ; v1(1740,2000.43) 1740,1997.32 1744.25,1993.07 1744.25,1860.75 v1(1745,1860) ; J9.12@2023.62,1818.5 1786.5,1818.5 1781.72,1823.28 ; 1189.42,1884.6 1199.61,1884.6 1495.4,1884.6 1500,1880 ; 1500,1880 1637.04,1880 1657.04,1860 v1(1745,1860) ; v1(1745,1860) 1781.72,1823.28
+9V_M: C1.2 C2.2 C4.2 C5.2 J9.20 R2.1 R6.1 | length 1993.5
  Top Layer 1 w25: C4.2@734.65,862.05 734.65,977.83 682.4,1030.08 C5.2@682.4,1032.05 855.68,1032.05 R6.1@936.28,1112.65 ; R6.1@936.28,1116.91 939.53,1116.91 939.53,1075.73 953.5,1061.76 v1(953.5,1060) ; v1(1070,955) 1346.69,955 1417.99,883.7 C1.2@1439.65,862.05 ; C2.2@1412.4,1035.08 C2.2@1412.4,1037.05 ; C1.2@1415.34,881.04 1415.34,1034.11 C2.2@1412.4,1037.05 ; v1(1665,1060) 1665,1061.76 1647.78,1078.98 1647.78,1120.85 R2.1@1644.53,1124.09 1641.28,1120.85 1641.28,1112.65 1565.68,1037.05 C2.2@1412.4,1037.05
  Bottom Layer 4 w25: v1(953.5,1060) 1057.26,956.24 1068.76,956.24 v1(1070,955) ; v1(1665,1060) 1706.5,1018.5 J9.20@2023.62,1018.5
+9V_S: C15.1 J9.13 R40.2 | length 1469.7
  Top Layer 1 w20: R40.2@854.53,1859.99 854.57,1859.95 C15.1@854.61,1789.99 858.53,1786.07 898.93,1786.07 v1(900,1785) ; v1(935,1640) 935,1639 1018,1556 v1(1018,1555)
  Bottom Layer 4 w20: v1(900,1785) 900,1675 v1(935,1640) ; v1(1018,1555) 1704.41,1555 1867.91,1718.5 J9.13@2023.62,1718.5
ACC1: R27.2 R33.1 | length 916.3
  Top Layer 1 w12: R27.2@1140.94,1985 1140.94,1981.06 1131.2,1971.31 1101.6,1971.31 978,1847.71 978,1689.12 1084.12,1583 1399.64,1583 1447.05,1535.59 R33.1@1450,1535.59
ACC2: R28.2 R34.1 | length 842
  Top Layer 1 w12: R28.2@1130.47,1805 1129.23,1803.75 1038.75,1803.75 1000,1765 1000,1698.23 1093.23,1605 1505.59,1605 R34.1@1565,1545.59